# Allegro board BeagleBone-AI.brd (continued)
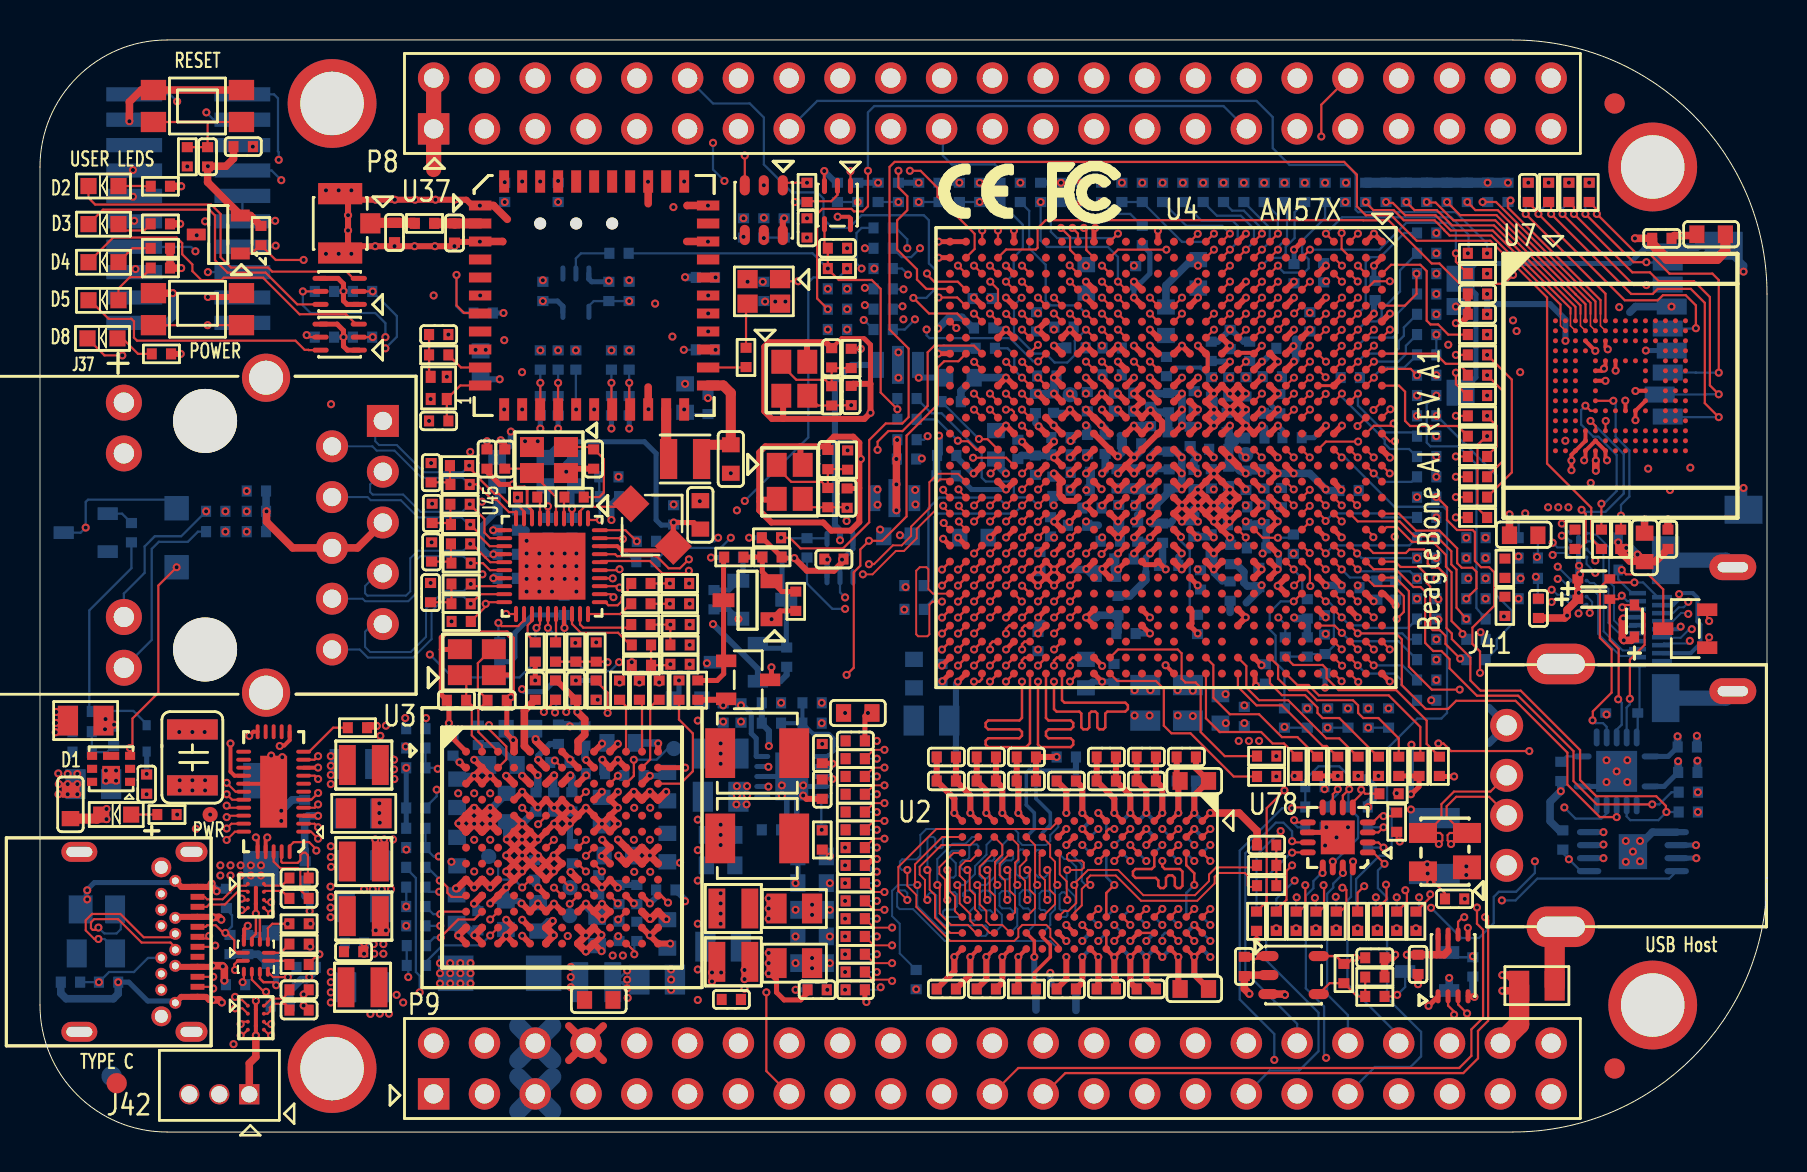
[diagram p0: board, top side]
## Routing (per net, layer and track width the routed paths; a pad name or vN(x,y) marks a point on that pad's centre or on a via; arc(x,y) is an arc through that point) (continued)
1V8_PHY_SATA: length 5.4
  TOP w0.305: U4.W12 v1(52.3,36.13) ; v1(53.08,35.35) U4.V13 ; U4.AB12 v1(50.69,35.34) U4.AA13
  TOP w0.381: U4.W12 v1(53.08,35.35)
  BOTTOM w0.305: FL1.3 43.94,38.36 v1(43.94,37.72) 43.95,37.73 45.28,37.73 C37.1
  BOTTOM w0.381: C184.1 53.26,35.17 v1(53.08,35.35)
1V8_PLL: length 32.4
  TOP w0.305: v1(24.89,17.85) 24.88,17.85 U3.B5 ; U4.AE16 47.91,32.53 v1(48.31,32.13) U4.AD16
  INT_L3 w0.33: v1(24.89,17.85) 24.28,18.45 24.28,21.3 24.89,21.91 26.86,21.91 27.91,22.96 27.91,23.7 28.3,24.08 31.13,24.08 31.89,24.84 32.73,24.84 33.08,25.2 33.08,26.5 38.4,31.83 41.43,31.83 v1(41.88,31.37)
  BOTTOM w0.254: v1(48.31,32.13) 46.58,32.13 45.9,32.82 C123.1
  BOTTOM w0.381: v1(24.89,17.85) 24.89,17.07 C157.1
  vias: v1(41.88,32.13)
1V8_PLLA: length 10.8
  TOP w0.305: U4.P16 v1(57.09,32.13) 57.48,32.53 U4.N16 ; U4.P14 v1(57.09,33.73) ; U4.N12 v1(57.9,36.13) 57.5,36.52 U4.N11 ; U4.R17 v1(55.51,31.33) ; U4.P15 v1(57.09,32.93) ; U4.M14 v1(58.69,33.73) ; U4.R14 v1(55.51,33.73)
  BOTTOM w0.305: C216.1 58.46,33.97 v1(58.69,33.73)
  BOTTOM w0.381: v1(55.51,33.73) 55.51,33.77 55.78,34.04 56.41,34.04 C199.1 56.8,34.03 v1(57.09,33.73) v1(57.09,32.93) v1(57.09,32.13) 57.05,32.17 C202.1 56.46,32.02 C189.1
  vias: v1(43.76,32.11) v1(43.78,31.38)
1V8_RTC: length 17.5
  TOP w0.305: R27.1 25.83,22.58 C38.1 26.85,21.56 26.85,21.03 v1(26.87,21.01)
  TOP w0.381: v1(26.87,21.01) 27.24,20.64 27.24,19.87 26.91,19.54 U3.A8
  SIG_L8 w0.254: v1(18.31,18.21) 19.16,18.21 20.23,19.28 22.05,19.28 24.23,21.46 26.54,21.46 26.87,21.13 v1(26.87,21.01)
  BOTTOM w0.254: v1(18.31,18.21) R157.2 R150.1
3V3_AVDD_MII0: length 5
  TOP w0.203: v1(22.67,28.89) 22.61,28.89 22.61,28.9 U45.14
  BOTTOM w0.203: C347.1 v1(22.67,28.89)
  BOTTOM w0.305: FB2.2 22.89,32.28 C346.1 22.89,31.09 22.1,30.3 22.1,29.21 22.42,28.89 v1(22.67,28.89)
3V3_SD: length 9
  TOP w0.305: U4.Y8 v1(52.3,39.33) U4.W8
  TOP w0.381: v1(25.71,17.84) 25.71,17.83 U3.C6
  BOTTOM w0.254: R8.1 v1(33.55,28.73)
  BOTTOM w0.305: v1(33.66,25.4) 35.9,23.16 Q1.2 37.02,22.54 37.34,22.86 R9.1
  BOTTOM w0.381: C151.1 25.69,17.81 v1(25.71,17.84)
  vias: v1(40.36,42.16) v1(75.44,47.47) v1(76.45,47.47) v1(77.47,47.47)
3V3_USB: length 23.5
  TOP w0.305: U4.Y12 v1(51.5,36.13) U4.AA12 ; v1(27.31,18.61) 27.32,18.61 U3.B9
  INT_L3 w0.508: v1(40.34,30.56) 38.73,30.56 35.94,27.76 35.94,24.89 31.29,20.24 28.12,20.24 27.31,19.44 v1(27.31,18.61)
  BOTTOM w0.305: v1(51.5,36.13) 51.34,35.97 C148.1
  BOTTOM w0.381: C134.1 27.25,18.67 v1(27.31,18.61)
GND: length 670.4
  TOP w0.127: U2.B3 57.32,13.34 57.72,12.94 v1(57.72,12.35) ; v1(12.12,18.75) 12.04,18.75 11.82,18.53 11.68,18.53 11.68,18.7 v1(11.56,18.83) ; U2.D8 U2.E8 ; U2.G9 U2.G8 ; R679.2 v1(62.74,17.81) ; v1(11.81,7.34) 11.66,7.49 11.18,7.49 11,7.67 U22.5 ; U22.11 10.6,9.71 10.79,9.91 v1(10.79,10.92) 11,10.72 U22.10 ; X9.4 26.31,32.79 v1(26.31,33.02) ; v1(78.92,29.49) 79.04,29.36 R201.2
  TOP w0.152: v1(39.22,48.06) 39.22,47.32 U6.3
  TOP w0.203: U2.M9 v1(48.92,8.75) ; U2.A9 v1(57.72,8.75) U2.B9 ; U2.E2 v1(55.32,15.15) ; U2.G1 v1(52.92,15.95) ; U72.33 11.28,17.42 U72.21 ; U72.28 10.88,14.73 v1(10.79,14.73) ; U2.T1 v1(45.72,15.95) ; v1(10.79,10.92) U88.B2 U88.B1 ; U2.P1 v1(47.32,15.95) ; U2.P9 v1(47.32,8.75) ; v1(51.32,14.35) U2.J2 ; U7.G5 77.78,37.57 78.28,37.57 v1(78.28,37.57) ; v1(56.29,23.34) U4.P28 ; U7.C4 77.28,39.56 v1(77.77,39.07) ; v1(77.22,33.59) 77.28,33.59 77.28,33.59 U7.P4 U7.N5 U7.P6 78.28,33.6 78.3,33.59 v1(78.36,33.59) ; U7.E7 78.78,38.08 v1(78.79,38.07) ; U2.F9 53.72,8.75 v1(53.72,8.74) 53.42,9.04 53.42,9.06 U2.G9 ; U2.J8 v1(51.32,10.35) ; U2.T9 v1(45.72,8.75) ; v1(10.79,6.55) U89.B1 U89.B2 v1(10.79,4.83) ; U2.B1 v1(57.72,15.95) ; U2.E8 v1(54.52,9.55) ; U7.H10 79.79,37.07 v1(79.78,37.06) ; U2.M1 v1(48.92,15.95) ; U2.E1 v1(54.52,15.95) ; U7.K8 79.28,36.57 v1(79.27,36.58) ; U2.D1 v1(56.12,15.95)
  TOP w0.254: v1(53.11,22.52) 52.71,22.92 U4.W28 ; U4.T21 55.26,28.37 55.75,28.37 U4.R21 v1(56.29,28.13) ; C339.2 v1(22.35,34.54) ; T2.1 15.36,41.39 15.18,41.57 v1(15.18,42.05) 15.18,42.42 14.91,42.69 T2.4 ; U4.AB20 v1(49.91,28.93) ; 23.62,22.86 23.62,21.82 v1(23.55,21.74) 23.39,21.59 C51.1 23.34,19.92 v1(23.66,19.6) ; 23.62,22.86 23.62,24.69 23.35,24.96 20.3,24.96 20.07,24.73 20.07,24.13 ; 23.62,22.86 22.71,22.86 X6.2 ; U46.1 v1(69.43,6.31) ; v1(71.73,6.76) 71.6,6.76 71.57,6.79 U46.4 ; U4.K15 v1(60.29,32.93) ; U4.N14 v1(57.89,33.73) ; U4.A28 v1(67.49,22.53) ; U4.AH2 44.94,43.73 v1(44.94,43.72) ; v1(68.55,16.89) 68.58,16.89 68.96,17.27 R676.2 R677.2 ; v1(57.89,24.93) U4.N25 57.6,25.43 57.6,26.02 U4.N24 ; R467.2 v1(24.77,22.58) ; U4.U17 v1(53.91,31.33) ; C337.2 23.24,34.39 v1(23.04,34.59) ; U4.AD1 v1(48.7,45.08) ; U4.F1 63.1,44.52 v1(62.71,44.12) ; U4.V17 v1(53.11,31.33) ; U4.AD24 v1(48.31,25.73) ; v1(52.77,45.21) 52.7,45.15 U4.W1 ; v1(67.79,26.34) 67.21,26.92 U4.A23 ; U78.10 64.07,14.98 v1(64.33,15.24) ; v1(60.81,22.31) 60.81,22.33 60.76,22.38 60.76,22.87 U4.J28 ; X6.4 20.98,24.13 20.07,24.13 ; 20.07,24.13 20.07,21.87 C52.1 20.45,21.49 v1(20.45,20.45) 20.45,19.99 v1(20.65,19.79) 20.65,19.68 U3.A1 ; v1(41.33,6.5) 41.33,6.55 41.25,6.63 C42.2 ; U4.A2 67.1,43.72 v1(66.71,43.33) ; v1(44.94,44.52) 44.94,44.53 U4.AH1 U4.AG1 ; v1(45.16,29.67) U4.AH20 ; U4.J15 v1(61.09,32.93) ; U4.T18 v1(54.71,30.53) ; U3.E7 v1(25.71,16.21) ; U4.AH8 v1(44.91,38.92) ; U4.D19 v1(65.09,29.73) ; U4.W24 v1(52.31,25.73) 52.7,25.33 U4.W25 ; U4.A1 v1(66.7,44.93) U4.B1 ; U4.R1 v1(55.9,45.07) ; U4.T14 v1(54.71,33.73) ; U4.AA14 v1(50.71,33.73) ; U4.U20 v1(53.91,28.93) ; U4.N19 v1(57.89,29.73) ; U4.AE19 v1(47.51,29.73) ; U4.T17 v1(54.71,31.33) ; U4.T15 v1(54.71,32.93) ; U4.AA20 v1(50.71,28.93) ; v1(45.12,22.54) U4.AH28 ; U4.K1 v1(60.3,44.93) ; U4.W15 v1(52.31,32.93) ; U4.M19 v1(58.69,29.73) ; T1.1 15.37,39.1 15.18,39.29 v1(15.18,39.75) 15.18,40.08 14.86,40.4 T1.4 ; U4.AD19 v1(48.31,29.73) ; U4.U21 v1(53.91,28.13) ; U4.E19 v1(64.29,29.73) ; U4.V15 v1(53.11,32.93) ; U4.N15 v1(57.89,32.93)
  TOP w0.305: v1(26.5,15.42) 26.51,15.42 U3.E8 ; v1(26.5,15.42) 26.5,15.42 U3.E7 ; v1(26.5,15.42) 26.5,15.42 U3.F7 26.11,15.03 v1(25.71,15.42) ; v1(48.92,8.75) 48.92,7.24 R22.2 ; v1(21.71,17.81) U3.C2 22.5,17.81 v1(22.51,17.81) ; v1(21.71,17.81) 21.32,17.42 U3.C1 ; v1(21.71,17.81) 22.11,18.21 U3.B2 ; v1(22,44.53) 22,44.51 20.73,44.51 C488.2 v1(20.73,44.3) v1(19.75,44.3) v1(18.73,44.3) v1(17.73,44.3) ; U3.E10 28.9,15.43 v1(28.9,15.41) U3.F10 28.49,15.02 v1(28.1,15.41) ; U3.E10 v1(28.9,16.21) 28.9,16.23 U3.D10 v1(28.9,17.01) ; U3.E10 v1(28.1,15.41) ; U4.U14 54.31,34.13 v1(54.71,33.73) U4.U15 ; U3.L9 28.1,10.63 v1(28.11,10.63) 28.11,10.63 U3.L10 28.49,11.02 v1(28.1,11.41) 28.09,11.41 U3.L9 ; U3.L9 27.7,11.02 v1(27.3,11.42) 27.3,11.42 U3.L8 ; v1(28.11,14.61) U3.G10 28.51,14.22 v1(28.09,13.8) 28.12,13.8 U3.H10 ; v1(62.68,39.3) U4.G8 ; C39.2 57.72,7.87 v1(57.72,8.75) ; v1(51.32,8.75) 51.32,7.64 C35.2 ; C11.2 C25.2 56.12,17.24 v1(56.12,15.95) ; U4.K25 59.9,25.34 v1(60.29,25.73) U4.K24 ; U3.E8 v1(26.53,16.19) ; U3.E8 v1(27.3,16.21) 27.31,16.21 U3.E9 27.71,15.81 v1(28.1,15.41) ; v1(26.53,16.19) 26.16,15.82 U3.E7 ; v1(26.53,16.19) 26.53,16.19 U3.D7 25.71,16.23 v1(25.71,16.21) U3.D6 24.91,16.23 v1(24.89,16.23) 24.89,16.23 U3.D5 v1(24.11,17.01) 23.72,16.62 U3.D4 ; U4.J12 v1(61.1,36.13) ; v1(50.71,33.73) 51.1,33.33 U4.AA15 ; C10.2 C24.2 54.52,16.84 v1(54.52,15.95) ; U3.H5 v1(24.11,13.03) ; U3.H5 24.51,13.42 v1(24.91,13.82) ; U3.H5 24.9,13.03 24.91,13.03 ; U3.H5 24.51,13.43 v1(24.11,13.83) ; v1(24.11,13.03) 24.1,13.03 U3.H4 ; v1(24.11,13.03) U3.J4 ; v1(25.71,15.42) 25.31,15.02 U3.F6 24.91,14.62 v1(24.9,14.62) ; v1(25.71,15.42) 25.71,15.43 U3.E7 ; 24.1,15.41 24.1,15.43 U3.E4 ; 24.1,15.41 v1(24.11,15.41) U3.F5 ; 24.1,15.41 U3.F4 ; U4.T10 v1(54.7,36.93) U4.T11 54.7,36.13 v1(54.7,36.13) U4.T12 55.48,36.1 v1(55.53,36.1) U4.R12 56.11,35.52 56.11,35.13 U4.R13 U4.T14 ; S3.1 10.07,41.76 v1(8.39,41.76) ; U3.H4 23.31,13.81 v1(23.31,13.83) U3.G4 ; U3.H4 v1(23.31,13.03) 23.31,13.01 U3.J4 ; U3.H4 v1(24.11,13.83) ; J42.B12 7.07,12.26 7.87,12.26 ; v1(24.91,13.82) U3.G5 ; v1(24.91,13.82) U3.H6 ; U3.G5 24.9,14.62 v1(24.9,14.62) ; U3.G5 v1(24.11,13.83) ; U3.G5 v1(24.1,14.62) ; 24.91,13.03 25.31,12.64 U3.J6 25.7,13.01 v1(25.7,13.03) ; 24.91,13.03 U3.H6 ; U4.AB11 v1(49.9,36.93) ; 7.87,6.76 8.31,6.76 8.46,6.6 v1(8.64,6.6) ; 7.87,6.76 7.06,6.76 J42.B1 ; 7.87,6.76 J42.A12 ; U4.AA11 v1(50.7,36.93) ; U4.G9 v1(62.7,38.53) ; v1(22.51,11.43) U3.K3 v1(23.31,12.23) U3.J4 ; U4.AA8 v1(50.7,39.33) ; U4.F7 v1(63.5,40.13) ; v1(47.32,15.95) 47.32,17.07 C19.2 C17.2 ; U3.B2 v1(22.51,17.81) ; U3.B2 v1(21.71,18.61) ; C9.2 45.72,8.04 v1(45.72,8.75) ; U3.H6 v1(25.7,13.03) ; U3.H6 25.69,13.81 v1(25.69,13.83) ; C231.2 57.8,18.18 C89.2 57.72,16.84 v1(57.72,15.95) ; U3.F5 24.9,14.63 v1(24.9,14.62) ; U3.F5 v1(24.1,14.62) ; U3.B11 29.29,18.22 v1(28.9,18.61) U3.B10 28.12,18.61 v1(28.12,18.62) ; v1(17.73,44.3) v1(16.76,44.3) 15.41,44.3 v1(15.41,45.08) v1(15.41,45.85) 15.41,46.62 v1(16.79,46.62) v1(17.74,46.62) v1(18.76,46.62) v1(19.77,46.62) v1(20.73,46.62) 21.32,46.62 21.61,46.33 U37.1 ; v1(17.73,44.3) C268.2 ; X9.4 26.3,33.17 C334.2 ; v1(25.7,13.03) 25.71,13.03 U3.H7 25.69,13.83 25.72,13.83 U3.G7 ; U4.AA10 v1(50.7,37.73) U4.AA9 ; v1(28.1,15.41) U3.F9 ; U4.A14 v1(67.5,33.72) ; C283.1 C281.2 71.4,40.79 71.06,40.45 v1(70.8,40.45) ; U3.F4 23.34,14.66 v1(23.34,14.63) 23.71,14.27 U3.G4 ; U3.F4 v1(24.1,14.62) ; v1(24.11,13.83) 23.72,14.22 U3.G4 ; U3.A7 26.11,19.02 v1(26.5,18.63) U3.B8 ; v1(21.72,9.84) 22.11,9.46 U3.N2 ; v1(47.32,8.75) 47.32,7.64 C230.2 ; U4.AE13 v1(48.3,35.33) U4.AD13 ; U4.G7 v1(62.7,40.13) ; U3.G4 v1(24.1,14.62) ; v1(24.08,11.43) 24.1,11.43 U3.L5 24.9,11.42 v1(24.9,11.42) 24.91,11.42 U3.L6 25.7,11.42 v1(25.7,11.42) 25.71,11.42 U3.L7 ; v1(55.32,8.75) 55.32,7.64 C36.2 ; 7.87,12.26 8.42,12.26 v1(8.59,12.42) 8.59,12.37 8.47,12.26 8.62,12.26 v1(8.84,12.04) ; 7.87,12.26 J42.A1 ; v1(45.72,15.95) 45.72,16.67 C22.2 C18.2 ; U3.C3 v1(22.51,17.81) ; v1(28.9,12.21) 28.9,12.23 U3.J10 28.11,12.23 v1(28.1,12.23) U3.J9 ; C20.2 51.32,17.07 v1(51.32,15.95) ; v1(30.49,9.83) 30.51,9.85 30.54,9.85 U3.M13 ; v1(30.49,9.83) U3.N13 31.51,9.42 v1(31.51,9.42) ; v1(30.49,9.83) U3.M12 ; U4.AD10 v1(48.3,37.73) U4.AE10 ; U4.K4 v1(60.3,42.53) ; C40.2 53.8,7.71 53.72,7.8 v1(53.72,8.74) ; U4.E13 v1(64.3,35.33) ; v1(48.92,15.95) 48.92,17.47 C23.2 C213.2 ; v1(38.16,16.83) 38.33,16.66 C6.2 ; U4.AB14 v1(50.71,34.53) ; U4.A6 v1(67.5,40.93) ; U4.U15 v1(53.91,32.93) ; U4.U15 54.31,33.33 v1(54.71,32.93) ; v1(20.92,9.83) 21.31,9.44 U3.N1 ; U4.L13 v1(59.5,35.33) ; U4.R15 v1(55.51,32.93) ; U4.K5 v1(60.3,41.73) ; U3.A13 30.91,19.03 v1(30.91,19.43) ; U4.H12 v1(61.9,36.13) ; U3.C12 v1(30.5,17.81) ; U4.D13 v1(65.1,35.33)
  TOP w0.381: v1(73.13,7.85) 73.43,7.85 R699.2 73.71,7.06 v1(73.13,7.06) ; U37.20 30.41,37.25 ; v1(42.86,34.61) 42.86,33.69 v1(42.82,33.66) v1(42.82,32.38) v1(42.82,31.09) ; v1(16.84,20.31) 16.45,20.31 R537.2 ; 80.21,28.55 v1(79.88,28.88) ; 80.21,28.55 79.5,28.55 79.04,29.01 R201.2 79.27,29.16 v1(79.32,29.21) ; 80.21,28.55 C278.2 80.77,28.52 C286.2 ; R700.2 10.53,45.83 Q18.2 10.02,45.86 8.38,47.5 C321.2 v1(8.39,48.3) 9.3,48.3 9.68,48.68 C491.2 ; v1(23.66,19.6) 23.71,19.56 U3.A4 ; U40.2 60.27,7.85 C489.2 60.22,7.16 v1(60.48,6.91) ; U4.L14 v1(59.49,33.73) U4.K15 ; v1(8.64,6.6) 8.97,6.6 v1(9.09,6.48) ; 32.36,46.33 32.36,46.33 U37.33 ; U37.3 23.13,44.53 23.14,44.53 ; S3.3 v1(6.64,41.95) ; v1(4.47,50.55) 4.47,51.51 5.07,52.11 S1.3 S1.1 ; 77,27.9 v1(77.01,27.89) ; C353.1 v1(68.91,7.39) ; J92.1 10.47,3.43 10.79,3.76 v1(10.79,4.83) ; R657.2 C490.2 67.61,8.71 v1(67.77,8.86) ; 32.34,44.53 U37.31 ; D25.1 79.57,24.59 v1(79.2,24.59) 79.12,24.66 79.12,25.63 v1(79.17,25.68) ; 30.41,46.42 U37.36 ; D22.1 76.9,27.01 v1(76.95,26.96) 76.9,26.91 D21.1 76.36,26.11 v1(76.36,25.82) 76.24,25.7 C285.2 ; 23.37,45.64 22.68,46.33 U37.1 ; U3.M1 20.92,9.83 v1(20.92,9.83) ; C282.2 v1(73.48,30.89) ; C325.1 v1(79.76,44.69) ; U3.M2 v1(21.72,9.84)
  TOP w0.508: D1.2 2.86,15.67 C456.2 ; C300.2 84.28,44.07 83.87,43.66 81.36,43.66 80.62,44.4 C325.1
  TOP w0.762: P8.2 P8.1 19.69,48.13
  TOP w1.016: P9.44 73.96,5.38 R699.2
  GND_L2 w0.381: 18.83,5.3 P9.2 ; P9.2 20.54,3.59 ; P9.2 20.54,5.3 ; 4.09,16.92 4.09,16.9 ; 59.47,3.59 P9.34 ; P9.34 61.18,5.3 ; P9.34 61.18,3.59 ; P9.34 59.47,5.3 ; P9.44 73.88,3.59 ; P9.44 73.88,5.3 ; P9.44 72.17,5.3 ; P9.44 72.17,3.59 ; J42.B1 8.24,6.46 ; 18.83,49.31 P8.1 20.54,49.31 ; 74.71,5.3 P9.46 ; P9.46 76.42,5.3 ; P9.46 74.71,3.59 ; v1(4.47,50.55) 4.47,49.61 5.21,48.87 ; 72.46,21.22 J41.4 ; J41.4 74.23,21.22 ; J41.4 72.46,19.45 ; J42.B12 8.22,12.56
  GND_L2 w0.508: v1(3.33,15.65) 3.78,15.65 4.37,16.23 ; v1(3.33,16.15) 3.34,16.15 4.09,16.9
  INT_L3 w0.381: P9.34 61.18,5.3 ; P9.34 59.47,3.59 ; P9.34 61.18,3.59 ; 74.23,21.22 J41.4 72.46,19.45 ; P9.44 73.88,3.59 ; P9.44 72.17,3.59 ; P9.44 73.88,5.3 ; P9.44 72.17,5.3 ; P9.46 76.42,5.3 ; P9.46 74.71,5.3 ; P9.46 74.71,3.59 ; P9.2 20.54,5.3 ; P9.2 20.54,3.59 ; P9.2 18.83,5.3 ; 20.54,49.31 P8.1 18.83,49.31
  GND_L4 w0.381: J42.B12 8.24,12.56 ; J41.4 74.23,21.22 ; J41.4 72.46,19.45 ; J41.4 72.46,21.22 ; J42.B1 8.26,6.46 ; P9.46 76.42,5.3 ; P9.46 74.71,3.59 ; P9.46 74.71,5.3 ; 72.17,3.59 P9.44 ; P9.44 73.88,3.59 ; P9.44 72.17,5.3 ; P9.44 73.88,5.3 ; P9.2 20.54,3.59 ; P9.2 20.54,5.3 ; P9.2 18.83,5.3 ; 59.47,5.3 P9.34 ; P9.34 61.18,5.3 ; P9.34 61.18,3.59 ; P9.34 59.47,3.59 ; 18.83,49.31 P8.1 20.54,49.31
  GND_L4 w0.762: P9.45 P9.46 ; P9.43 P9.44
  GND_L4 w1.016: P9.1 P9.2
  SIG_L5 w0.381: P9.44 73.88,3.59 ; P9.44 72.17,3.59 ; P9.44 73.88,5.3 ; P9.44 72.17,5.3 ; 20.54,49.31 P8.1 18.83,49.31 ; 74.71,5.3 P9.46 ; P9.46 74.71,3.59 ; P9.46 76.42,5.3
  SIG_L8 w0.381: 18.83,49.31 P8.1 20.54,49.31 ; P9.44 73.88,3.59 ; P9.44 72.17,5.3 ; P9.44 73.88,5.3 ; P9.44 72.17,3.59 ; 74.71,3.59 P9.46 ; P9.46 74.71,5.3 ; P9.46 76.42,5.3 ; 20.54,3.59 P9.2 18.83,5.3
  GND_L9 w0.381: 18.83,5.3 P9.2 ; P9.2 20.54,3.59 ; P9.2 20.54,5.3 ; P9.44 73.88,5.3 ; P9.44 72.17,3.59 ; P9.44 73.88,3.59 ; P9.44 72.17,5.3 ; 59.47,3.59 P9.34 ; P9.34 59.47,5.3 ; P9.34 61.18,3.59 ; P9.34 61.18,5.3 ; 18.83,49.31 P8.1 20.54,49.31 ; P9.46 76.42,5.3 ; P9.46 74.71,5.3 ; P9.46 74.71,3.59 ; 72.46,21.22 J41.4 ; J41.4 74.23,21.22 ; J41.4 72.46,19.45 ; J42.B12 8.27,12.56 ; J42.B1 8.19,6.46
  SIG_L10 w0.381: 74.71,5.3 P9.46 74.71,3.59 ; 72.17,3.59 P9.44 ; P9.44 72.17,5.3 ; P9.44 73.88,5.3 ; P9.44 73.88,3.59 ; P9.2 20.54,5.3 ; P9.2 18.83,5.3 ; P9.2 20.54,3.59 ; J41.4 74.23,21.22 ; J41.4 72.46,21.22 ; J41.4 72.46,19.45
  GND_L11 w0.381: 74.71,5.3 P9.46 ; P9.46 76.42,5.3 ; P9.46 74.71,3.59 ; 18.83,49.31 P8.1 20.54,49.31 ; P9.44 73.88,5.3 ; P9.44 72.17,3.59 ; P9.44 73.88,3.59 ; P9.44 72.17,5.3 ; J42.B12 8.22,12.56 ; 18.83,5.3 P9.2 ; P9.2 20.54,5.3 ; P9.2 20.54,3.59 ; 72.46,19.45 J41.4 ; J41.4 74.23,21.22 ; J41.4 72.46,21.22 ; J42.B1 8.22,6.46 ; 59.47,5.3 P9.34 ; P9.34 61.18,5.3 ; P9.34 61.18,3.59 ; P9.34 59.47,3.59
  BOTTOM w0.127: R113.1 28.1,11.88 v1(28.1,12.23) ; C168.2 v1(60.22,21.34) ; C495.2 v1(28.45,42.57) ; v1(57.72,12.35) 57.32,11.95 U11.B3 ; U2.G1 U11.G8 ; v1(24.89,16.23) 24.97,16.23 C157.2
  BOTTOM w0.203: U2.G9 53.72,8.75 v1(53.72,8.74) ; U2.J8 v1(51.32,10.35) ; J91.13 79.24,25.75 v1(79.17,25.68) ; U11.D8 v1(55.32,15.15) U2.E2 ; U11.F9 v1(54.52,15.95) ; U2.M1 v1(48.92,15.95) ; U11.D1 v1(55.32,8.75) U11.E1 ; U92.B2 76.94,26.92 76.95,26.94 v1(76.95,26.96) ; U11.A9 v1(57.72,15.95) U2.B1 ; v1(82.04,25.27) 81.92,25.15 J91.10 ; J91.4 82.54,23.95 83.03,24.43 83.03,25.37 82.88,25.53 82.88,26.72 82.65,26.95 82.02,26.95 v1(81.97,26.9) 81.97,26.67 81.64,26.35 J91.16 ; U2.T1 v1(45.72,15.95) ; U2.B9 v1(57.72,8.75) ; U2.P9 v1(47.32,8.75) ; C215.2 58.52,37.74 58.04,38.23 56.79,38.23 56.35,37.8 C210.2 ; U2.G1 v1(52.92,15.95) ; v1(79.2,24.59) 79.24,24.55 J91.7 ; U2.P1 v1(47.32,15.95) ; U2.E8 v1(54.52,9.55) ; U2.J2 v1(51.32,14.35) ; U2.M9 v1(48.92,8.75) ; U2.T9 v1(45.72,8.75)
  BOTTOM w0.254: U90.3 27.45,42.66 27.58,42.52 C495.2 ; 15.18,42.04 v1(15.18,42.05) ; 15.18,42.04 R390.2 ; 15.18,42.04 R392.2 ; U8.3 39.35,28.46 39.37,28.47 v1(39.37,28.63) ; J42.B12 6.68,12.47 2.72,12.47 2.36,12.12 v1(2.36,12.09) 2.31,12.04 2.31,11.41 D78.1 ; v1(77.01,27.89) 77.01,27.89 77.01,27.81 76.94,27.74 U92.B1 76.94,26.97 v1(76.95,26.96) ; v1(78.84,18.03) 78.09,17.28 U12.7 ; D76.1 v1(5.33,17.91) ; C91.2 C90.2 38.13,13.78 C92.2 C8.2 ; v1(68.58,19.37) 68.58,16.92 v1(68.55,16.89) ; v1(62.71,44.12) 62.71,44.12 C259.2 ; v1(66.71,43.33) 66.7,43.32 66.7,42.63 C272.2 ; C153.2 41.34,13.34 41.66,13.02 v1(41.85,13.02) ; C242.2 63.7,34.72 v1(64.3,35.33) ; v1(30.49,9.83) 29.84,10.48 R103.1 ; R389.2 v1(15.18,39.75) R387.2 ; C461.2 31.95,21.59 v1(31.95,22.58) ; C41.2 v1(37.78,7.11) ; v1(3.91,7.49) 4.45,7.49 5.38,6.55 6.67,6.55 J42.B1 ; U1.8 37.1,17.78 v1(37.1,17.34) ; R661.2 32.79,42.75 v1(32.26,42.75) ; C492.2 51.21,39.33 v1(50.7,39.33) ; v1(38.16,17.34) 38.16,17.28 U1.4 ; R182.1 v1(67.79,26.34) ; v1(8.59,12.42) 8.86,12.14 9.3,12.14 R533.2 ; C267.2 v1(64.26,22.23) ; C69.2 v1(35.46,29.72) ; 61.54,36.36 C245.2 61.54,35.94 ; v1(76.96,28.32) 76.94,28.35 U91.B2 U91.B1 ; C320.2 v1(26.8,22.58)
  BOTTOM w0.305: v1(48.92,15.95) 48.92,17.47 C23.2 ; C180.2 52.61,22.52 v1(53.11,22.52) ; C24.2 54.52,16.84 v1(54.52,15.95) ; C20.2 51.32,17.07 v1(51.32,15.95) ; R107.1 28.96,12.36 C121.2 ; v1(24.08,11.43) 23.96,11.55 C170.2 ; R690.2 v1(43.94,47.47) ; 53.15,22.52 53.63,22.52 C162.2 ; v1(23.31,12.23) 23.3,12.21 C170.2 ; C442.2 11.81,8.25 v1(11.81,7.34) ; v1(30.5,17.81) 31.2,17.81 C115.2 ; v1(39.22,48.06) 39.8,47.47 R596.2 ; v1(45.72,15.95) 45.72,16.67 C22.2 C18.2 ; C202.2 55.6,33.14 C193.2 ; v1(57.72,8.75) 57.72,7.87 C39.2 ; C19.2 47.32,17.07 v1(47.32,15.95) ; C9.2 45.72,8.04 v1(45.72,8.75) ; v1(26.31,33.02) 26.31,33.43 26.62,33.73 C344.2 ; v1(57.72,15.95) 57.72,17.47 C100.2 ; v1(32,13.46) 31.42,13.46 C114.2 ; C145.2 26.5,14.4 v1(26.5,15.42) ; C276.2 58.9,39.52 v1(59.5,40.13) 59.57,40.13 60.17,39.52 C277.2 ; C170.2 22.63,11.55 v1(22.51,11.43) ; v1(55.32,8.75) 55.32,7.64 C36.2 ; v1(47.32,8.75) 47.32,7.64 C230.2 ; C133.2 28.12,17.92 v1(28.12,18.62) ; v1(60.29,25.73) 60.29,25.79 ; C2.2 v1(22.99,37.64) ; v1(56.12,15.95) 56.12,17.24 C25.2 ; v1(48.92,8.75) 48.92,7.24 R22.2 ; v1(53.72,8.74) 53.72,7.8 53.8,7.71 C40.2 ; v1(21.71,17.81) 20.86,17.81 C196.2 ; v1(32.26,11.54) 32.26,11.62 C117.2 ; 23.88,31.12 v1(23.88,31.72)
  BOTTOM w0.381: C237.2 61.16,22.31 v1(60.81,22.31) ; C152.2 26.41,20.37 v1(26.49,20.29) C134.2 ; v1(59.5,35.33) 59.37,35.19 C217.2 59.66,34.71 C234.2 ; 60.33,26.47 60.95,27.09 C235.2 60.89,27.3 60.38,27.3 60.2,27.48 60.2,28.02 59.82,28.4 C112.2 ; v1(79.88,28.88) 79.55,29.21 v1(79.32,29.21) ; C273.2 61.13,33.07 C279.2 59.99,33.07 59.84,33.22 ; C346.2 24.38,31.12 24.43,31.06 ; v1(44.91,40.18) 45.47,40.74 46.1,40.74 46.63,40.21 C125.2 ; C216.2 59.43,34.6 ; C216.2 59.43,33.8 v1(59.49,33.73) 59.44,33.68 C223.2 ; C216.2 59.84,34.6 ; C439.2 13.26,11.8 13.49,11.57 v1(13.49,11.05) ; v1(21.72,9.84) 21.13,10.44 C194.2 20.92,10.38 v1(20.92,9.83) ; C126.2 30.89,19.46 v1(30.91,19.43) ; 23.34,15.51 v1(23.34,14.63) ; 23.34,15.51 24.02,15.51 v1(24.11,15.41) 24.72,16.02 C157.2 ; 23.34,15.51 C169.2 ; C199.2 56.44,35.01 C200.2 55.8,35.99 C190.2 ; D23.1 v1(78.92,29.49) ; D46.1 C441.2 10.92,8.89 11.28,8.53 C442.2 ; C184.2 53.26,33.08 v1(53.11,32.93) ; D24.1 78.33,20.92 v1(78.33,20.88) ; Q17.2 v1(70.47,7.7) ; C149.2 50.65,31.38 v1(50.69,31.34) ; 72.46,19.45 J41.4 72.46,21.22 ; R659.1 71.65,6.83 v1(71.73,6.76) ; C274.2 62.79,39.65 ; C274.2 62.79,38.61 v1(62.7,38.53) ; C274.2 63,39.65 ; C178.2 53.86,32.98 v1(53.91,32.93) ; v1(54.71,33.73) 55.07,34.09 C171.2 ; C187.2 54.89,30.86 ; v1(79.65,14.02) 80.63,15 U48.1 ; 26.62,29.29 26.61,29.3 C345.2 ; 53.81,28.03 v1(53.91,28.13) ; 53.81,28.03 53.73,28.12 C179.2 53.73,28.75 v1(53.91,28.93) ; 53.81,28.03 C174.2 ; v1(24.33,28.93) 24.3,28.89 C347.2 ; C498.2 v1(82.88,18.57) ; v1(3.91,7.49) 3.91,6.91 3.67,6.66 1.31,6.66 1.04,6.93 R534.2 ; R104.1 30.49,17.83 v1(30.5,17.81) ; C340.2 26.21,27.64 v1(26.24,27.66) ; v1(77.01,27.89) 76.96,27.94 v1(76.96,28.32) ; C197.2 56.13,28.51 C201.2 56.09,28.34 v1(56.29,28.13) ; C198.2 56.3,42.33 57.6,43.63 C208.2 ; 79.5,41 79.79,41.28 J90.6 ; C205.2 57.7,33.54 v1(57.89,33.73) 57.51,34.11 C203.2 ; P2.20 6.32,40.46 6.64,40.78 v1(6.64,41.95) ; R99.2 42.85,34.59 v1(42.86,34.61) R98.2 ; v1(28.1,11.41) 28.09,11.4 28.09,11.17 27.77,10.85 27.3,11.32 v1(27.3,11.42) ; v1(52.32,32.1) C109.2 52.5,32.11 C108.2 52.37,32.99 v1(52.31,32.93) ; C106.2 50.57,34.66 v1(50.71,34.53) ; v1(23.66,19.6) 23.31,19.95 C164.2 ; 60.73,30.4 C236.2 61.32,30.3 C254.2 ; v1(21.71,18.61) 22.18,18.61 C172.1 22.51,18.28 v1(22.51,17.81) ; C136.2 50.66,36.92 C148.2 50.7,36.95 v1(50.7,37.73) ; R112.2 45.18,39.19 v1(44.91,38.92) ; v1(52.3,35.34) 52.38,35.26 C159.2 ; R571.2 v1(64.33,15.24) v1(65.41,15.24) R572.1 ; C123.2 44.83,33.81 R7.1 44.96,33.93 v1(44.96,34.82) ; 24.31,30.07 24.28,30.1 C351.2 ; C466.2 66.4,16.41 66.67,16.68 66.67,17.31 66.27,17.7 ; C352.2 24.31,27.69 v1(24.33,27.66) ; v1(48.3,37.73) 46.72,37.73 C37.2 46.05,37.06 R100.2 ; C224.2 59.51,25.98 ; v1(50.71,33.73) 50.71,33.73 C107.2 50.54,33.83 C138.2 49.07,33.83 R10.1 ; C348.2 25.4,29.39 25.35,29.34 ; C233.2 C245.2 ; v1(52.31,25.73) 52.83,25.73 52.94,25.84 C204.2 53.9,25.01 C119.2 ; v1(48.3,35.33) 48.06,35.08 C116.2 ; C440.2 12.61,16.61 v1(12.07,16.07) ; 37.66,14.6 C92.2 38.13,15.62 ; C206.2 58.45,29.78 C211.2 ; v1(32.26,42.75) 32.27,42.74 R661.2 ; C497.2 v1(82.85,19.81) ; C158.2 52.92,30.34 ; 53.15,22.52 v1(53.11,22.52)
  vias: v1(2.36,11.63) v1(3.25,20.14) v1(3.28,20.65) v1(3.71,20.37) v1(4.65,48.11) v1(4.65,46.77) v1(4.71,45.57) v1(4.78,43.15) v1(6.96,20) v1(7.62,20) v1(8.23,20) v1(8.26,45.54) v1(9.68,4.39) v1(10.34,32.05) v1(10.34,31.04) v1(12.07,15.56) v1(14.3,47.09) v1(14.3,43.92) v1(14.55,36.4) v1(14.94,47.09) v1(14.94,43.92) v1(15.57,47.09) v1(15.57,43.92) v1(16.21,12.14) v1(16.21,9.45) v1(16.21,8.92) v1(16.64,12.14) v1(16.69,9.4) v1(16.71,8.92) v1(17.02,19.81) v1(16.97,16.43) v1(16.97,15.95) v1(16.99,15.47) v1(17.09,12.14) v1(17.17,9.4) v1(17.17,8.92) v1(17.3,20.32) v1(17.55,12.14) v1(17.83,6.86) v1(18.16,6.48) v1(18.32,14.12) v1(18.31,10.31) v1(19.53,36.65) v1(19.46,35.56) v1(19.53,27.46) v1(19.56,33.45) v1(19.61,31.42) v1(19.58,29.49) v1(19.69,41.83) v1(20.35,37.77) v1(20.42,39.88) v1(20.57,13.51) v1(21.51,34.01) v1(22,46.33) v1(22.1,31.52) v1(23.22,39.6) v1(24.1,38) v1(24.26,34.54) v1(24.33,29.57) v1(24.33,28.3) v1(24.33,27.03) v1(24.89,34.54) v1(24.97,28.93) v1(24.97,28.3) v1(24.97,27.66) v1(24.97,27.03) v1(25.15,42.6) v1(25.6,28.93) v1(25.6,28.3) v1(25.6,27.66) v1(25.6,27.03) v1(25.91,46.51) v1(26.24,28.93) v1(26.24,28.3) v1(26.82,28.93) v1(26.82,28.3) v1(26.82,27.66) v1(26.82,27.03) v1(27.81,24.49) v1(28.91,9.79) v1(29.59,23.5) v1(29.97,22.48) v1(30.4,47.52) v1(30.43,36.14) v1(30.76,41.43) v1(30.96,22.48) v1(31.62,39.78) v1(31.56,8.13) v1(31.56,7.62) v1(31.56,7.11) v1(31.67,46.25) v1(31.69,31.38) v1(32.26,37.41) v1(32.49,26.42) v1(32.49,25.37) v1(32.89,20.57) v1(32.89,15.62) v1(32.89,14.1) v1(32.89,12.57) v1(32.89,10.41) v1(32.89,8.13) v1(32.89,6.6) v1(32.99,31.55) v1(33.4,46.33) v1(33.4,44.53) v1(34.54,32.94) v1(34.85,31.09) v1(35.18,45.69) v1(35.38,42.52) v1(36.14,42.52) v1(36.2,47.35) v1(36.2,45.72) v1(37.06,21.46) v1(37.1,16.83) v1(37.78,12.45) v1(37.78,11.11) v1(37.78,9.78) v1(37.78,8.45) v1(38.35,45.69) v1(38.61,11.37) v1(38.61,10.86) v1(38.61,8.7) v1(38.61,8.19) v1(39.09,21.46) v1(39.09,20.45) v1(39.12,19.41) v1(40.26,20.96) v1(40.36,44.2) v1(41.85,19.56) v1(42.93,38.99) v1(42.93,37.72) v1(43.22,26.12) v1(43.29,27.25) v1(43.81,7.14) v1(46.99,47.47) v1(47.5,41.71) v1(49.9,40.94) v1(49.91,24.13) v1(50.7,40.13) v1(50.71,29.73) v1(52.07,47.47) v1(52.3,43.33) v1(52.3,36.93) v1(52.31,30.53) v1(53.09,47.47) v1(53.1,39.33) v1(53.11,29.73) v1(53.9,37.73) v1(54.7,43.33) v1(54.74,22.1) v1(55.12,47.47) v1(55.52,22.1) v1(56.89,22.1) v1(57.15,47.47) v1(57.65,22.07) v1(57.9,43.33) v1(57.9,36.93) v1(57.89,28.13) v1(58.17,47.47) v1(58.7,37.73) v1(58.69,32.13) v1(59.18,47.47) v1(59.28,21.89) v1(59.5,37.73) v1(60.2,47.47) v1(60.3,37.73) v1(60.29,31.33) v1(60.29,30.53) v1(61.09,30.53) v1(61.14,28.93) v1(61.09,27.34) v1(61.21,47.47) v1(61.82,18.8) v1(61.93,37.72) v1(61.89,32.13) v1(62.23,47.47) v1(62.69,28.93) v1(63.25,47.47) v1(63.37,21.18) v1(64.31,42.54) v1(64.29,24.91) v1(64.26,14.33) v1(64.83,14.73) v1(65.9,37.73) v1(65.91,32.11) v1(65.89,27.33) v1(65.91,17.81) v1(66.42,16.26) v1(67.74,29.77) v1(68.55,16.13) v1(69.93,26.64) v1(71.25,11.66) v1(71.32,13.28) v1(71.32,12.85) v1(74.02,38) v1(74.42,47.47) v1(76.28,34.57) v1(77.55,32.46) v1(78.33,18.59) v1(78.33,17.5) v1(78.97,41.25) v1(79.3,14.55) v1(79.3,13.51) v1(79.38,18.59) v1(79.38,17.5) v1(80.01,14.55) v1(80.01,13.54) v1(80.42,33.17) v1(81.51,32.11) v1(81.58,41.27) v1(82.52,33.22)
GND_EARTH: length 59.7
  TOP w0.127: 1.12,20.57 0.91,20.57 v1(0.8,20.46) ; 1.12,20.57 1.12,20.7 v1(0.81,21.01) ; 1.12,20.57 R640.2
  TOP w1.016: J41.5 75.74,9.95 R699.1
  GND_L2 w0.762: 12.34,1.02 14.5,3.17 MH4.1 14.61,2.9 16.54,0.97 ; 12.47,53.62 14.61,51.49 MH2.1 14.68,51.43 16.89,53.64